# Allegro board RK_EVB1_RK3576_LP4XD200P132SD6_V12_20240530YWQ.brd
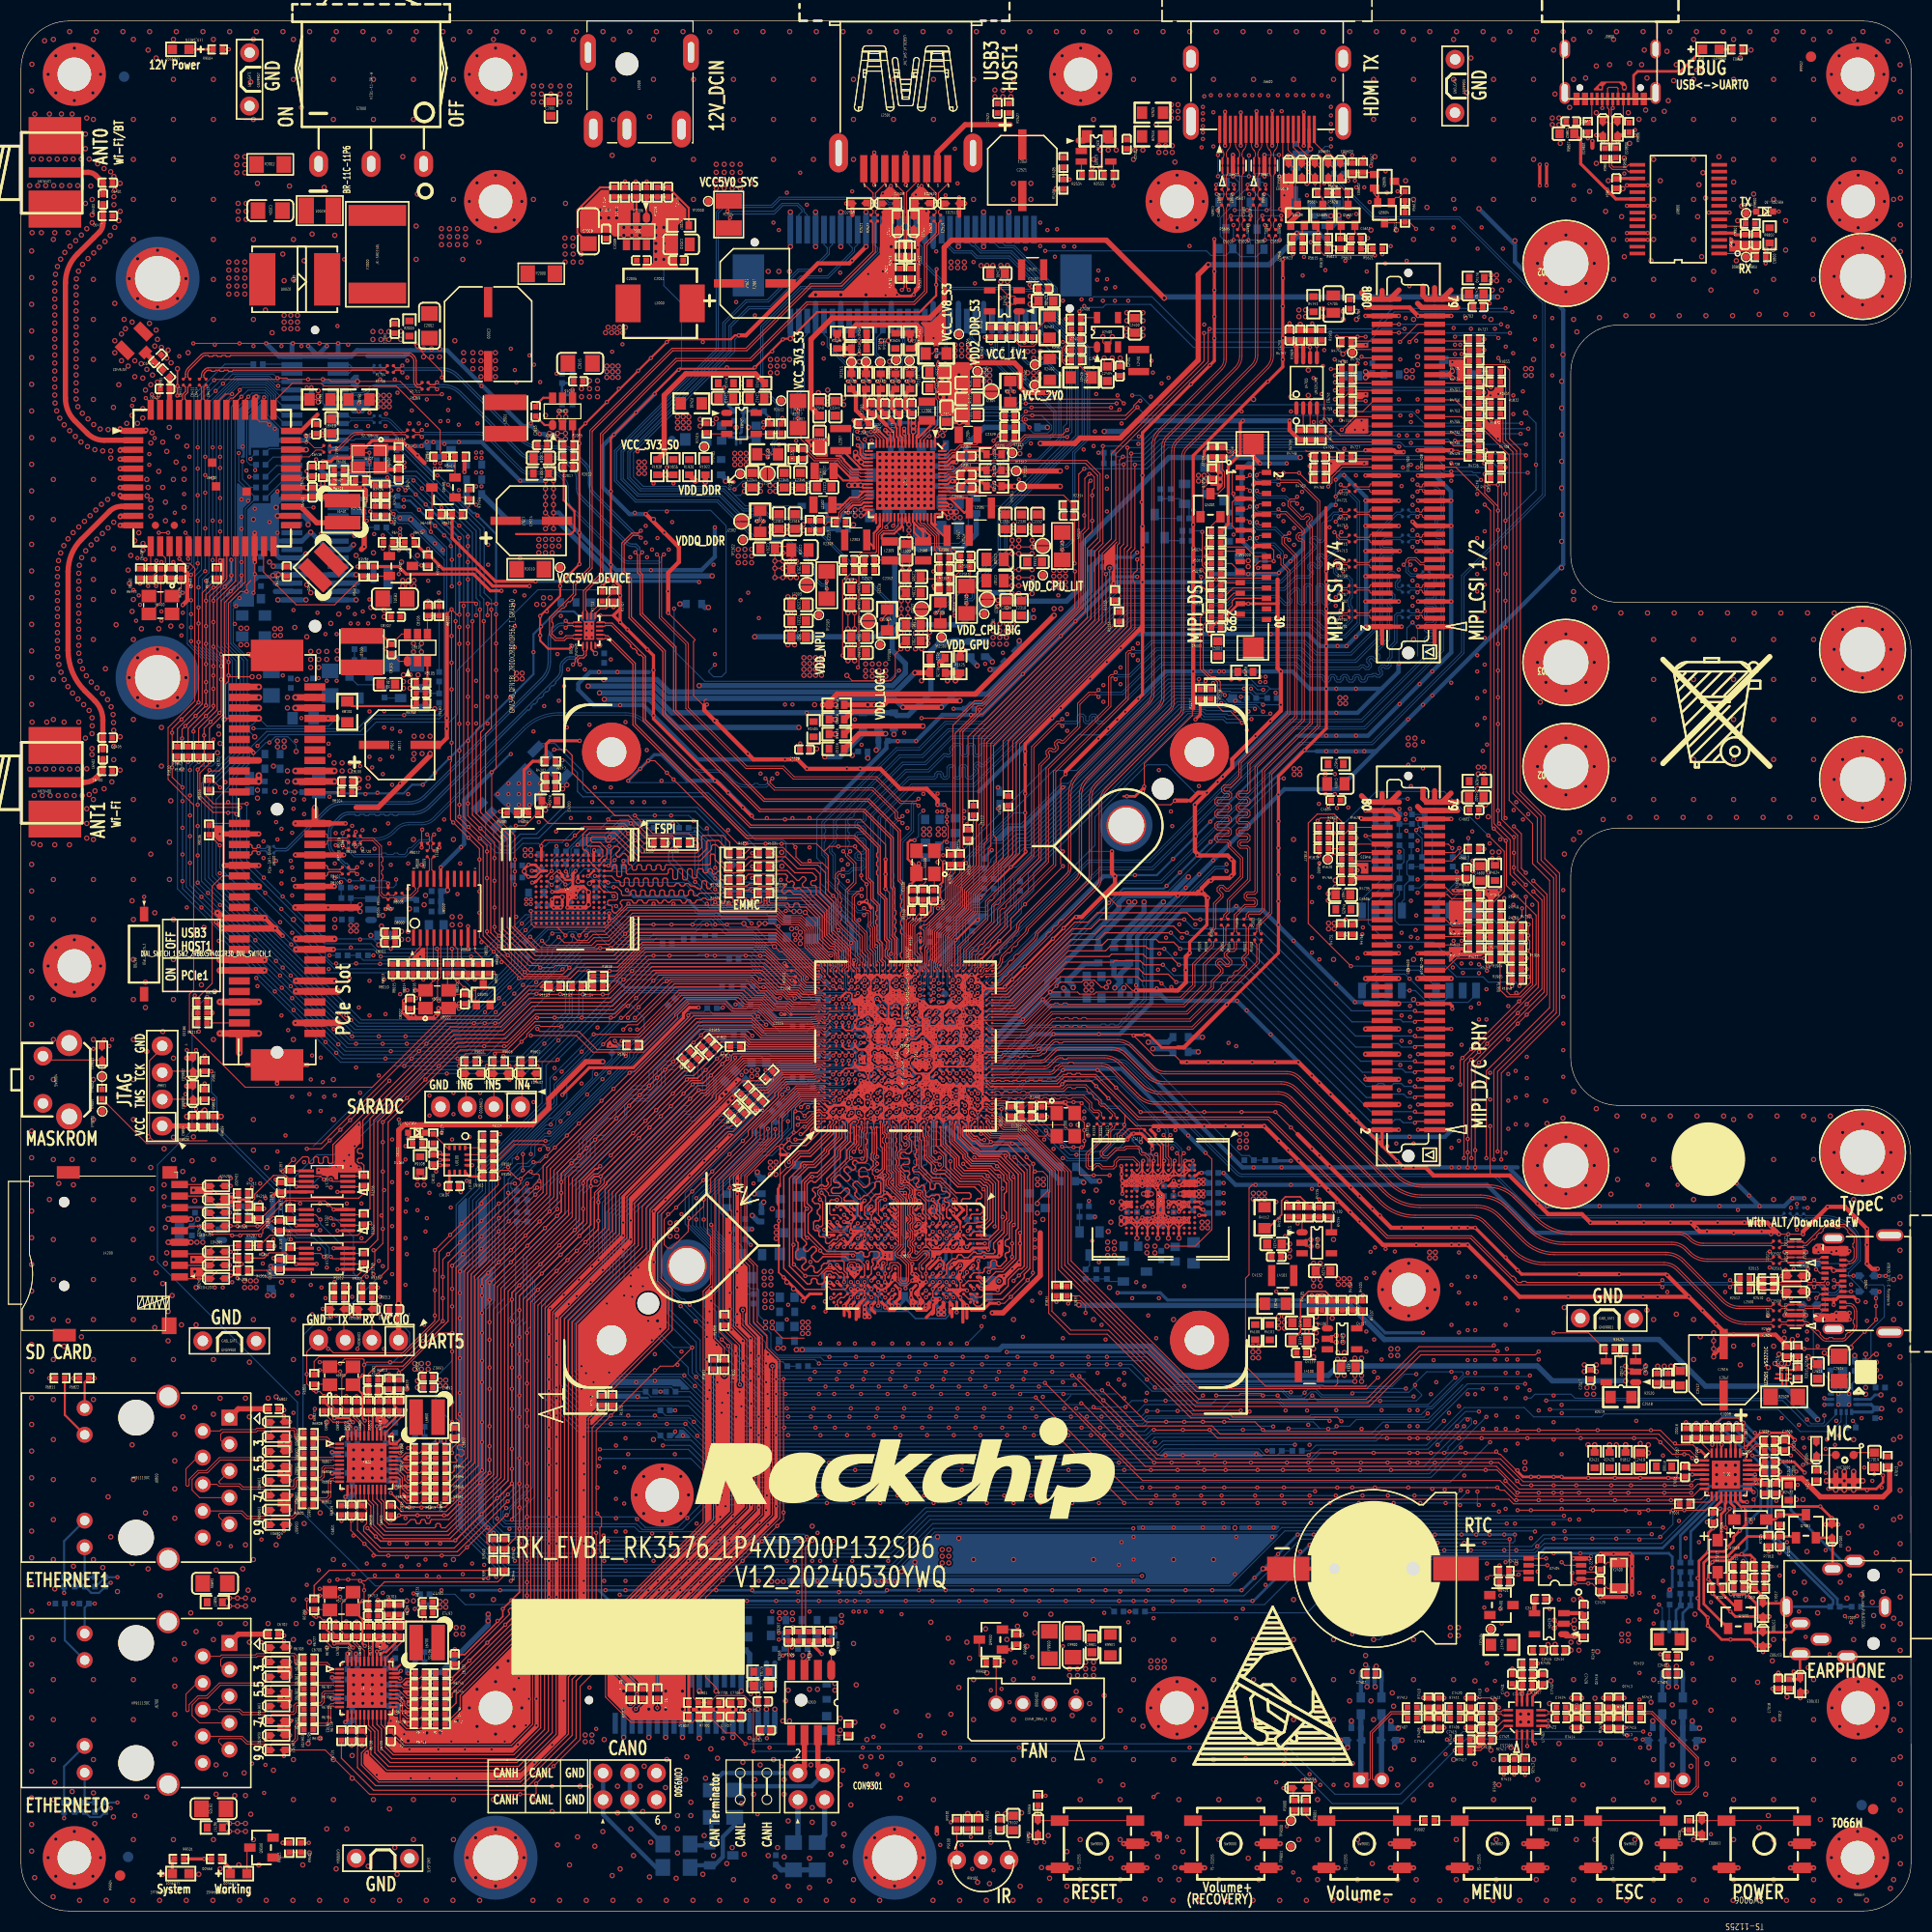
[diagram p0: board, top side]
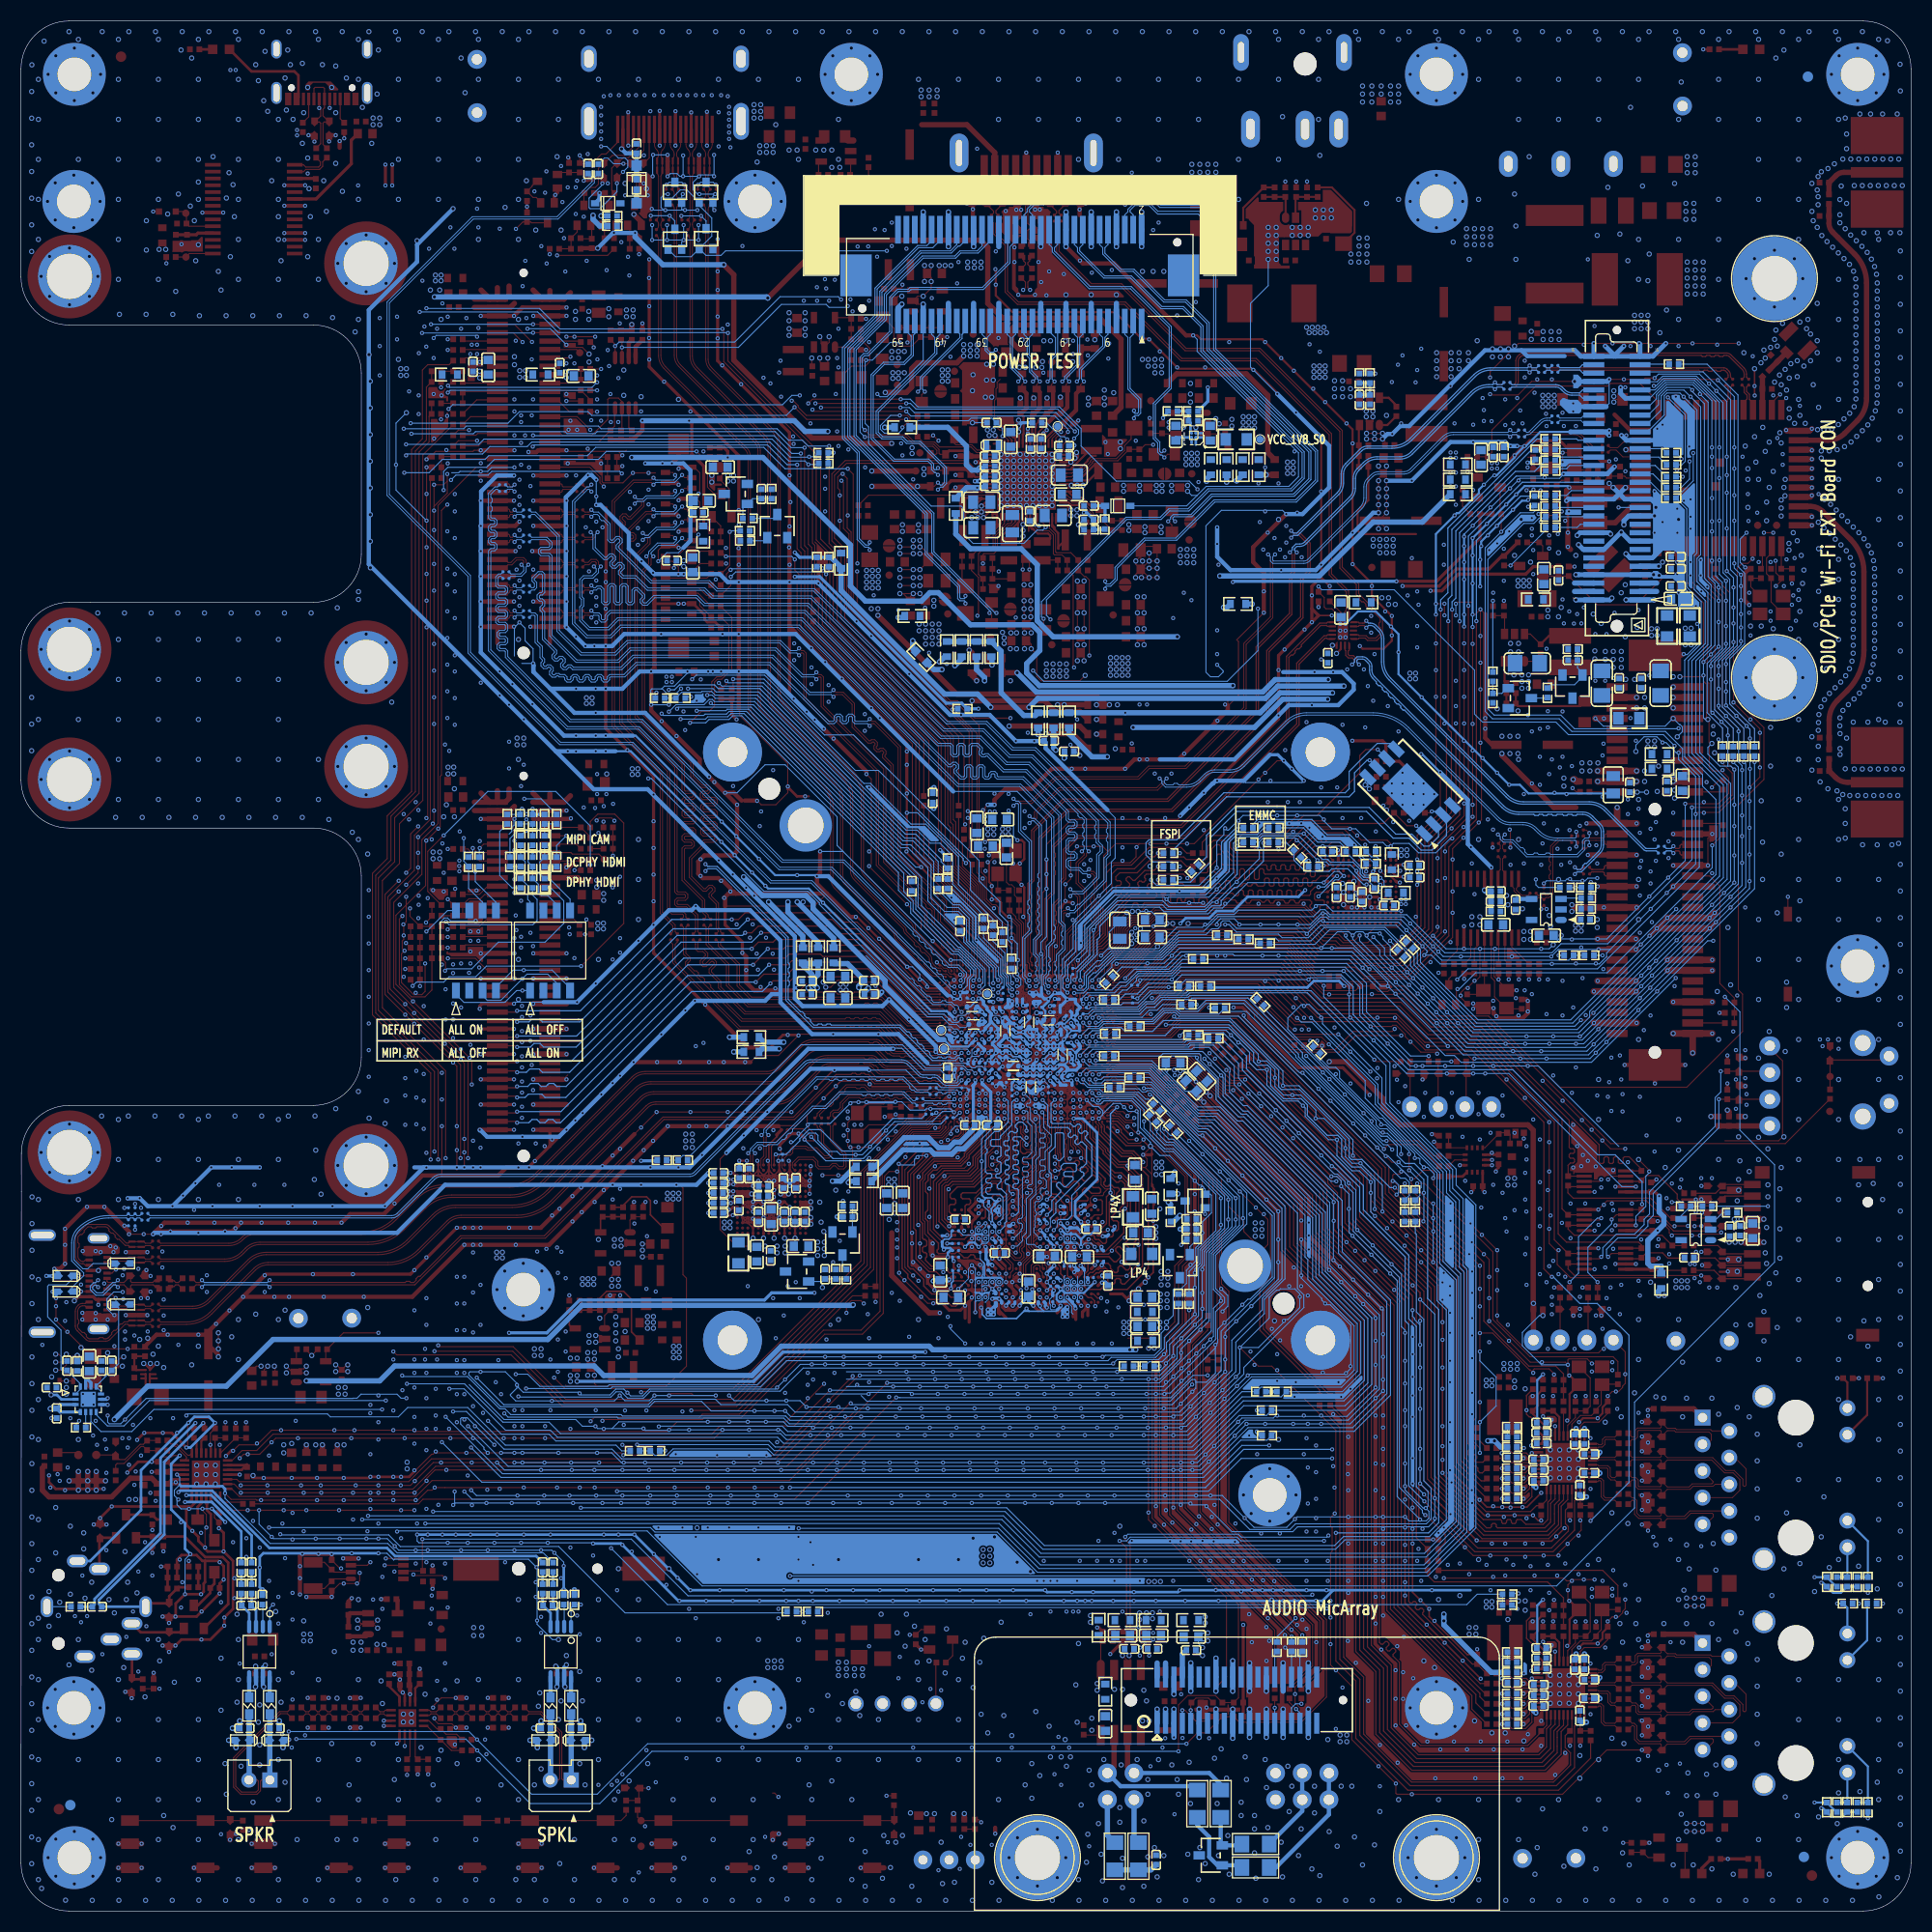
[diagram p1: board, bottom side, seen from below]

Outline 180 x 180 mm; copper layers: TOP, L2-GND, L3-POWER, L4-SIG, L5-GND, BOTTOM. Coordinates in mm from the lower left corner of the outline.
Outline path: 0,175.43 arc(1.34,178.66) 4.57,180 175.43,180 arc(178.66,178.66) 180,175.43 180,155.62 arc(178.66,152.39) 175.43,151.05 152.16,151.05 arc(148.93,149.71) 147.59,146.48 147.59,129.21 arc(148.93,125.97) 152.16,124.63 173.4,124.63 173.4,124.64 175.43,124.64 arc(178.66,123.3) 180,120.06 180,107.71 arc(178.66,104.48) 175.43,103.14 152.16,103.14 arc(148.93,101.8) 147.59,98.57 147.59,81.3 arc(148.93,78.06) 152.16,76.72 175.39,76.72 arc(178.63,75.38) 179.96,72.15 179.96,68.49 180,4.57 arc(178.66,1.34) 175.43,0 4.57,0 arc(1.34,1.34) 0,4.57 0,175.43

## Design rules (mm)
net group AINL: nets AINLN AINLP
net group AINR: nets AINRN AINRP
net group AUD_LOOPBACK2_: nets AUD_LOOPBACK2_N AUD_LOOPBACK2_P
net group AUD_SPK2: nets AUD_SPK2N AUD_SPK2P
net group CON0_TX0_CLKN: nets CON0_TX0_CLKN MIPI_DPHY_DSI_TX_CLKN
net group CON0_TX0_CLKP: nets CON0_TX0_CLKP MIPI_DPHY_DSI_TX_CLKP
net group CON0_TX0_D0N: nets CON0_TX0_D0N MIPI_DPHY_DSI_TX_D0N
net group CON0_TX0_D0P: nets CON0_TX0_D0P MIPI_DPHY_DSI_TX_D0P
net group CON0_TX0_D1N: nets CON0_TX0_D1N MIPI_DPHY_DSI_TX_D1N
net group CON0_TX0_D1P: nets CON0_TX0_D1P MIPI_DPHY_DSI_TX_D1P
net group CON0_TX0_D2N: nets CON0_TX0_D2N MIPI_DPHY_DSI_TX_D2N
net group CON0_TX0_D2P: nets CON0_TX0_D2P MIPI_DPHY_DSI_TX_D2P
net group CON0_TX0_D3N: nets CON0_TX0_D3N MIPI_DPHY_DSI_TX_D3N
net group CON0_TX0_D3P: nets CON0_TX0_D3P MIPI_DPHY_DSI_TX_D3P
net group DEBUG_USBDM: nets DEBUG_USBDM DEBUG_USBDM_C
net group DEBUG_USBDP: nets DEBUG_USBDP DEBUG_USBDP_C
net group DP_TX_AUXN: nets DP_TX_AUXN TYPEC_SBU2
net group DP_TX_AUXP: nets DP_TX_AUXP TYPEC_SBU1
net group EMMC_CMD: nets EMMC_CMD GPIO1_B0
net group EMMC_D4: nets EMMC_D4 GPIO1_A4
net group EMMC_D5: nets EMMC_D5 GPIO1_A5
net group EMMC_D6: nets EMMC_D6 GPIO1_A6
net group EMMC_D7: nets EMMC_D7 GPIO1_A7
net group GMAC0_RXCLK_M0: nets GMAC0_RXCLK_M0 PHY0_RXCLK/PHYAD1
net group GMAC0_RXCTL_M0: nets GMAC0_RXCTL_M0 PHY0_RXDV/PHYAD2
net group GMAC0_RXD0_M0: nets GMAC0_RXD0_M0 PHY0_RXD0/RXDLY
net group GMAC0_RXD1_M0: nets GMAC0_RXD1_M0 PHY0_RXD1/TXDLY
net group GMAC0_RXD2_M0: nets GMAC0_RXD2_M0 PHY0_RXD2/PLLOFF
net group GMAC0_RXD3_M0: nets GMAC0_RXD3_M0 PHY0_RXD3/PHYAD0
net group GMAC0_TXCLK_M0: nets GMAC0_TXCLK_M0 GPIO3_B6_D
net group GMAC0_TXCTL_M0: nets GMAC0_TXCTL_M0 GPIO3_B3_D
net group GMAC0_TXD0_M0: nets GMAC0_TXD0_M0 GPIO3_B5_D
net group GMAC0_TXD1_M0: nets GMAC0_TXD1_M0 GPIO3_B4_D
net group GMAC0_TXD2_M0: nets GMAC0_TXD2_M0 GPIO3_C3_D
net group GMAC0_TXD3_M0: nets GMAC0_TXD3_M0 GPIO3_C2_D
net group GMAC1_RXCLK_M0: nets GMAC1_RXCLK_M0 PHY1_RXCLK/PHYAD1
net group GMAC1_RXCTL_M0: nets GMAC1_RXCTL_M0 PHY1_RXDV/PHYAD2
net group GMAC1_RXD0_M0: nets GMAC1_RXD0_M0 PHY1_RXD0/RXDLY
net group GMAC1_RXD1_M0: nets GMAC1_RXD1_M0 PHY1_RXD1/TXDLY
net group GMAC1_RXD2_M0: nets GMAC1_RXD2_M0 PHY1_RXD2/PLLOFF
net group GMAC1_RXD3_M0: nets GMAC1_RXD3_M0 PHY1_RXD3/PHYAD0
net group GMAC1_TXCLK_M0: nets GMAC1_TXCLK_M0 GPIO2_C5_D
net group GMAC1_TXCTL_M0: nets GMAC1_TXCTL_M0 GPIO2_D0_D
net group GMAC1_TXD0_M0: nets GMAC1_TXD0_M0 GPIO2_C6_D
net group GMAC1_TXD1_M0: nets GMAC1_TXD1_M0 GPIO2_C7_D
net group GMAC1_TXD2_M0: nets GMAC1_TXD2_M0 GPIO2_C3_D
net group GMAC1_TXD3_M0: nets GMAC1_TXD3_M0 GPIO2_C4_D
net group GPIO1_C1_D: nets GPIO1_C1_D SDMMC1_CLK_M0
net group HDMI_TX0N: nets HDMI_TX0N HDMI_TX_D0N
net group HDMI_TX0P: nets HDMI_TX0P HDMI_TX_D0P
net group HDMI_TX1N: nets HDMI_TX1N HDMI_TX_D1N
net group HDMI_TX1P: nets HDMI_TX1P HDMI_TX_D1P
net group HDMI_TX2N: nets HDMI_TX2N HDMI_TX_D2N
net group HDMI_TX2P: nets HDMI_TX2P HDMI_TX_D2P
net group HDMI_TX3N: nets HDMI_TX3N HDMI_TX_D3N
net group HDMI_TX3P: nets HDMI_TX3P HDMI_TX_D3P
net group HDMITX_HPDIN/HDMITX_SBDN: nets HDMI_TX_SBDN HDMITX_HPDIN/HDMITX_SBDN
net group HDMITX_SBDP: nets HDMI_TX_SBDP HDMITX_SBDP
net group I2C4_SCL_M3_MIPI_CSI0: nets I2C4_SCL_M3_MIPI_CSI0 N27236901
net group I2C4_SDA_M3_MIPI_CSI0: nets I2C4_SDA_M3_MIPI_CSI0 N27236900
net group IRC_AIN: nets IRC_AIN N27236914
net group IRC_BIN: nets IRC_BIN N27236916
net group M_DPHY_RX: nets MIPI_DPHY_CSI0_RX_D1P/MIPI_CPHY_CSI_RX_TRIO1_A MIPI_DPHY_CSI0_RX_D3P/NO_USE
net group M_MIPI_CPHY_RX_TRIO_A: nets MIPI_DPHY_CSI0_RX_D0N/MIPI_CPHY_CSI_RX_TRIO0_A MIPI_DPHY_CSI0_RX_D0P/MIPI_CPHY_CSI_RX_TRIO0_B
net group MIC2: nets MIC2N MIC2P
net group MIC_1: nets LIN1_ES8388 RIN1_ES8388
net group MIC_2: nets LIN2_ES8388 RIN2_ES8388
net group MIPI_CSI1/2_D2N: nets MIPI_CSI1/2_D2N MIPI_DPHY_CSI1_RX_D2N/MIPI_DPHY_CSI2_RX_D0N
net group MIPI_CSI1/2_D2P: nets MIPI_CSI1/2_D2P MIPI_DPHY_CSI1_RX_D2P/MIPI_DPHY_CSI2_RX_D0P
net group MIPI_CSI1/2_D3N: nets MIPI_CSI1/2_D3N MIPI_DPHY_CSI1_RX_D3N/MIPI_DPHY_CSI2_RX_D1N
net group MIPI_CSI1/2_D3P: nets MIPI_CSI1/2_D3P MIPI_DPHY_CSI1_RX_D3P/MIPI_DPHY_CSI2_RX_D1P
net group MIPI_CSI1_CLKN: nets MIPI_CSI1_CLKN MIPI_DPHY_CSI1_RX_CLKN
net group MIPI_CSI1_CLKP: nets MIPI_CSI1_CLKP MIPI_DPHY_CSI1_RX_CLKP
net group MIPI_CSI1_D0N: nets MIPI_CSI1_D0N MIPI_DPHY_CSI1_RX_D0N
net group MIPI_CSI1_D0P: nets MIPI_CSI1_D0P MIPI_DPHY_CSI1_RX_D0P
net group MIPI_CSI1_D1N: nets MIPI_CSI1_D1N MIPI_DPHY_CSI1_RX_D1N
net group MIPI_CSI1_D1P: nets MIPI_CSI1_D1P MIPI_DPHY_CSI1_RX_D1P
net group MIPI_CSI2_CLKN: nets MIPI_CSI2_CLKN MIPI_DPHY_CSI2_RX_CLKN
net group MIPI_CSI2_CLKP: nets MIPI_CSI2_CLKP MIPI_DPHY_CSI2_RX_CLKP
net group MIPI_CSI3/4_D2N: nets MIPI_CSI3/4_D2N MIPI_DPHY_CSI3_RX_D2N/MIPI_DPHY_CSI4_RX_D0N
net group MIPI_CSI3/4_D2P: nets MIPI_CSI3/4_D2P MIPI_DPHY_CSI3_RX_D2P/MIPI_DPHY_CSI4_RX_D0P
net group MIPI_CSI3/4_D3N: nets MIPI_CSI3/4_D3N MIPI_DPHY_CSI3_RX_D3N/MIPI_DPHY_CSI4_RX_D1N
net group MIPI_CSI3/4_D3P: nets MIPI_CSI3/4_D3P MIPI_DPHY_CSI3_RX_D3P/MIPI_DPHY_CSI4_RX_D1P
net group MIPI_CSI3_CLKN: nets MIPI_CSI3_CLKN MIPI_DPHY_CSI3_RX_CLKN
net group MIPI_CSI3_CLKP: nets MIPI_CSI3_CLKP MIPI_DPHY_CSI3_RX_CLKP
net group MIPI_CSI3_D0N: nets MIPI_CSI3_D0N MIPI_DPHY_CSI3_RX_D0N
net group MIPI_CSI3_D0P: nets MIPI_CSI3_D0P MIPI_DPHY_CSI3_RX_D0P
net group MIPI_CSI3_D1N: nets MIPI_CSI3_D1N MIPI_DPHY_CSI3_RX_D1N
net group MIPI_CSI3_D1P: nets MIPI_CSI3_D1P MIPI_DPHY_CSI3_RX_D1P
net group MIPI_CSI4_CLKN: nets MIPI_CSI4_CLKN MIPI_DPHY_CSI4_RX_CLKN
net group MIPI_CSI4_CLKP: nets MIPI_CSI4_CLKP MIPI_DPHY_CSI4_RX_CLKP
net group MIPI_DPHY_CSI0_PDN_H: nets MIPI_DPHY_CSI0_PDN_H N27236903
net group MIPI_DPHY_CSI0_PWREN_H: nets MIPI_DPHY_CSI0_PWREN_H N27236909
net group MIPI_DPHY_HSYNC: nets MIPI_DPHY_HSYNC N27236955
net group N18403367: nets N18403367 N18403564
net group PCIE1_RXN: nets PCIE1_RXN PCIE_SLOT_RXDN
net group PCIE1_RXP: nets PCIE1_RXP PCIE_SLOT_RXDP
net group PCIE1_TXN: nets PCIE1_TXN PCIE_SLOT_TXDN
net group PCIE1_TXP: nets PCIE1_TXP PCIE_SLOT_TXDP
net group PCIE21_1_RX/USB3_HOST1_SSRX: nets PCIE1_RXN/USB3_HOST1_SSRXN PCIE1_RXP/USB3_HOST1_SSRXP
net group PCIE21_1_TX/USB3_HOST1_SSTX: nets PCIE1_TXN/USB3_HOST1_SSTXN PCIE1_TXP/USB3_HOST1_SSTXP
net group PHY0_MDI0+: nets PHY0_MDI0+ PHY0_MDI_0+
net group PHY0_MDI0-: nets PHY0_MDI0- PHY0_MDI_0-
net group PHY0_MDI1+: nets PHY0_MDI1+ PHY0_MDI_1+
net group PHY0_MDI1-: nets PHY0_MDI1- PHY0_MDI_1-
net group PHY0_MDI2+: nets PHY0_MDI2+ PHY0_MDI_2+
net group PHY0_MDI2-: nets PHY0_MDI2- PHY0_MDI_2-
net group PHY0_MDI3+: nets PHY0_MDI3+ PHY0_MDI_3+
net group PHY0_MDI3-: nets PHY0_MDI3- PHY0_MDI_3-
net group PHY1_MDI0: nets PHY1_MDI0+ PHY1_MDI0-
net group PHY1_MDI1: nets PHY1_MDI1+ PHY1_MDI1-
net group PHY1_MDI2: nets PHY1_MDI2+ PHY1_MDI2-
net group PHY1_MDI3: nets PHY1_MDI3+ PHY1_MDI3-
net group PHY1_MDI_0: nets PHY1_MDI_0+ PHY1_MDI_0-
net group PHY1_MDI_1: nets PHY1_MDI_1+ PHY1_MDI_1-
net group PHY1_MDI_2: nets PHY1_MDI_2+ PHY1_MDI_2-
net group PHY1_MDI_3: nets PHY1_MDI_3+ PHY1_MDI_3-
net group SAI4_LRCK_M2_DCPHY: nets N30718271 SAI4_LRCK_M2_DCPHY
net group SAI4_MCLK_M2_DCPHY: nets N30718340 SAI4_MCLK_M2_DCPHY
net group SAI4_SCLK_M2_DCPHY: nets N30718343 SAI4_SCLK_M2_DCPHY
net group SAI4_SDI_M2_DCPHY: nets N30718350 SAI4_SDI_M2_DCPHY
net group SDIO_CMD_CON: nets SDIO_CMD_CON SDMMC1_CMD_M0
net group SDIO_D0_CON: nets SDIO_D0_CON SDMMC1_D0_M0
net group SDIO_D1_CON: nets SDIO_D1_CON SDMMC1_D1_M0
net group SDIO_D2_CON: nets SDIO_D2_CON SDMMC1_D2_M0
net group SDIO_D3_CON: nets SDIO_D3_CON SDMMC1_D3_M0
net group TYPEC_RX1N: nets TYPEC_RX1N USB3_OTG0_SSRX1N/DP_TX_D0N
net group TYPEC_RX1P: nets TYPEC_RX1P USB3_OTG0_SSRX1P/DP_TX_D0P
net group TYPEC_RX2N: nets TYPEC_RX2N USB3_OTG0_SSRX2N/DP_TX_D2N
net group TYPEC_RX2P: nets TYPEC_RX2P USB3_OTG0_SSRX2P/DP_TX_D2P
net group TYPEC_TX1N: nets TYPEC_TX1N USB3_OTG0_SSTX1N/DP_TX_D1N
net group TYPEC_TX1P: nets TYPEC_TX1P USB3_OTG0_SSTX1P/DP_TX_D1P
net group TYPEC_TX2N: nets TYPEC_TX2N USB3_OTG0_SSTX2N/DP_TX_D3N
net group TYPEC_TX2P: nets TYPEC_TX2P USB3_OTG0_SSTX2P/DP_TX_D3P
net group UFS_RX0N: nets UFS_RX0N UFS_RX_D0N
net group UFS_RX0P: nets UFS_RX0P UFS_RX_D0P
net group UFS_RX1N: nets UFS_RX1N UFS_RX_D1N
net group UFS_RX1P: nets UFS_RX1P UFS_RX_D1P
net group UFS_TX0N: nets UFS_TX0N UFS_TX_D0N
net group UFS_TX0P: nets UFS_TX0P UFS_TX_D0P
net group UFS_TX1N: nets UFS_TX1N UFS_TX_D1N
net group UFS_TX1P: nets UFS_TX1P UFS_TX_D1P
net group USB2_HOST1_DM: nets N22367536 USB2_HOST1_DM
net group USB2_HOST1_DP: nets N22367533 USB2_HOST1_DP
net group USB20_HOST_D: nets USB20_HOST_DM USB20_HOST_DP
net group USB30_HOST_SSRXN: nets USB3_HOST1_SSRXN USB30_HOST_SSRXN
net group USB30_HOST_SSRXP: nets USB3_HOST1_SSRXP USB30_HOST_SSRXP
net group USB30_HOST_SSTXN: nets USB3_HOST1_SSTXN USB30_HOST_SSTXN
net group USB30_HOST_SSTXP: nets USB3_HOST1_SSTXP USB30_HOST_SSTXP
net group 50OHM: nets GMAC0_INT/PMEB GMAC0_MCLKINOUT_M0 GMAC0_MDC_M0 GMAC0_MDIO_M0 GMAC0_RSTN GMAC1_INT/PMEB GMAC1_MCLKINOUT_M0 GMAC1_MDC_M0 GMAC1_MDIO_M0 GMAC1_RSTN PHY0_RSTN PHY1_RSTN SD_DET SDMMC0_DET_L UFS_REFCLK UFS_RSTN UFS_SOC_REFCLK UFS_SOC_RSTN
net group AP627XP_PCIE_RXN: nets AP627XP_PCIE_RXN CON_PCIE0_TXN PCIE0_SOC_TXN PCIE_CON_TXN WIFI_PCIE0_TXN
net group AP627XP_PCIE_RXP: nets AP627XP_PCIE_RXP CON_PCIE0_TXP PCIE0_SOC_TXP PCIE_CON_TXP WIFI_PCIE0_TXP
net group AP627XP_PCIE_TXN: nets AP627XP_PCIE_TXN CON_PCIE0_RXN PCIE0_SOC_RXN WIFI_PCIE0_RXN
net group AP627XP_PCIE_TXP: nets AP627XP_PCIE_TXP CON_PCIE0_RXP PCIE0_SOC_RXP WIFI_PCIE0_RXP
net group AP627XP_REFCLKN: nets AP627XP_REFCLKN CON_PCIE0_REFCLKN PCIE0_SOC_REFCLKN PCIE_CON_REFCLKN WIFI_PCIE0_REFCLKN
net group AP627XP_REFCLKP: nets AP627XP_REFCLKP CON_PCIE0_REFCLKP PCIE0_SOC_REFCLKP PCIE_CON_REFCLKP WIFI_PCIE0_REFCLKP
net group AUD_LOOPBACK1_N: nets AUD_LOOPBACK1_N AUD_SPK1N N31480252
net group AUD_LOOPBACK1_P: nets AUD_LOOPBACK1_P AUD_SPK1P N31479995
net group CLK0N: nets CLK0N CLK1N PCIE1_REFCLKN PCIE_CLKIC_0_REFCLKN PCIE_CLKIC_1_REFCLKN PCIE_SLOT_REFCLKN
net group CLK0P: nets CLK0P CLK1P PCIE1_REFCLKP PCIE_CLKIC_0_REFCLKP PCIE_CLKIC_1_REFCLKP PCIE_SLOT_REFCLKP
net group DDR_CA: nets LPDDR4_CSN0_A LPDDR4_CSN0_B LPDDR4_CSN1_A LPDDR4_CSN1_B LPDDR4_RESET
net group EMMC_CLKOUT: nets EMMC_CLKOUT FSPI0_CLK/EMMC_CLK FSPI_CLKOUT N19625800
net group EMMC_D0: nets EMMC_D0 FSPI0_D0/EMMC_D0 FSPI_D0
net group EMMC_D1: nets EMMC_D1 FSPI0_D1/EMMC_D1 FSPI_D1
net group EMMC_D2: nets EMMC_D2 FSPI0_D2/EMMC_D2 FSPI_D2
net group EMMC_D3: nets EMMC_D3 FSPI0_D3/EMMC_D3 FSPI_D3
net group EMMC_DATA_STROBE: nets EMMC_DATA_STROBE GPIO1_B2 N21903225
net group EMMC_RSTN: nets EMMC_RSTN FSPI0_CSN0/EMMC_RSTN FSPI_CSN0
net group M_DDR_A_CA: nets LPDDR4_A0_A LPDDR4_A1_A LPDDR4_A2_A LPDDR4_A3_A LPDDR4_A4_A LPDDR4_A5_A LPDDR4_CKE0_A LPDDR4_CKE1_A
net group M_DDR_A_CLK_DQS: nets LPDDR4_CLKN_A LPDDR4_CLKP_A LPDDR4_DQS0N_A LPDDR4_DQS0P_A LPDDR4_DQS1N_A LPDDR4_DQS1P_A
net group M_DDR_A_DATA0: nets LPDDR4_DMI0_A LPDDR4_DQ0_A LPDDR4_DQ1_A LPDDR4_DQ2_A LPDDR4_DQ3_A LPDDR4_DQ4_A LPDDR4_DQ5_A LPDDR4_DQ6_A LPDDR4_DQ7_A
net group M_DDR_A_DATA1: nets LPDDR4_DMI1_A LPDDR4_DQ8_A LPDDR4_DQ9_A LPDDR4_DQ10_A LPDDR4_DQ11_A LPDDR4_DQ12_A LPDDR4_DQ13_A LPDDR4_DQ14_A LPDDR4_DQ15_A
net group M_DDR_B_CA: nets LPDDR4_A0_B LPDDR4_A1_B LPDDR4_A2_B LPDDR4_A3_B LPDDR4_A4_B LPDDR4_A5_B LPDDR4_CKE0_B LPDDR4_CKE1_B
net group M_DDR_B_CLK_DQS: nets LPDDR4_CLKN_B LPDDR4_CLKP_B LPDDR4_DQS0N_B LPDDR4_DQS0P_B LPDDR4_DQS1N_B LPDDR4_DQS1P_B
net group M_DDR_B_DATA0: nets LPDDR4_DMI0_B LPDDR4_DQ0_B LPDDR4_DQ1_B LPDDR4_DQ2_B LPDDR4_DQ3_B LPDDR4_DQ4_B LPDDR4_DQ5_B LPDDR4_DQ6_B LPDDR4_DQ7_B
net group M_DDR_B_DATA1: nets LPDDR4_DMI1_B LPDDR4_DQ8_B LPDDR4_DQ9_B LPDDR4_DQ10_B LPDDR4_DQ11_B LPDDR4_DQ12_B LPDDR4_DQ13_B LPDDR4_DQ14_B LPDDR4_DQ15_B
net group M_MIPI_CPHY_RX_TRIO_1: nets MIPI_DPHY_CSI0_RX_CLKN/MIPI_CPHY_CSI_RX_TRIO1_B MIPI_DPHY_CSI0_RX_CLKP/MIPI_CPHY_CSI_RX_TRIO1_C MIPI_DPHY_CSI0_RX_D1N/MIPI_CPHY_CSI_RX_TRIO0_C
net group M_MIPI_CPHY_RX_TRIO_2: nets MIPI_DPHY_CSI0_RX_D2N/MIPI_CPHY_CSI_RX_TRIO2_A MIPI_DPHY_CSI0_RX_D2P/MIPI_CPHY_CSI_RX_TRIO2_B MIPI_DPHY_CSI0_RX_D3N/MIPI_CPHY_CSI_RX_TRIO2_C
net group MIPI_DPHY_CSI0_PWM: nets MIPI_DPHY_CSI0_PWM MIPI_DPHY_FSYNC N27236910
net group SDMMC0_CLK: nets N19625788 SDMMC0_CLK SDMMC0_CLK/UART5_TX_M2/I2C5_SCL_M0
net group SDMMC0_CMD: nets SD_CMD SDMMC0_CMD SDMMC0_CMD/UART5_RX_M2/I2C5_SDA_M0
net group SDMMC0_D0: nets SD_D0 SDMMC0_D0 SDMMC0_D0/CAN0_RX_M0
net group SDMMC0_D1: nets SD_D1 SDMMC0_D1 SDMMC0_D1/CAN0_TX_M0
net group SDMMC0_D2: nets SD_D2 SDMMC0_D2 SDMMC0_D2/JTAG_TCK_M0
net group SDMMC0_D3: nets SD_D3 SDMMC0_D3 SDMMC0_D3/JTAG_TMS_M0
net group TYPEC_DM: nets N22367504 TYPEC_DM USB2_OTG0_DM
net group TYPEC_DP: nets N22367501 TYPEC_DP USB2_OTG0_DP
net group VCCIO0_1V8: nets VCCIO0_1V8
net group VCCIO1: nets VCCIO1

## Placement (name value [footprint] x y rotation side)
ANT6400  SMA-J-P-H-RA-TH1  [ANT5_SMA_ST_EM1]  3.23 107.5 0 top
ANT6401  SMA-J-P-H-RA-TH1  [ANT5_SMA_ST_EM1]  3.23 165.59 0 top
ANT6402  -  [ANT_JACK]  12.25 149.87 135 top
C1000  100nF  [C0201]  87.2 82.54 0 bottom
C1001  100nF  [C0201]  84.88 82.98 90 bottom
C1002  1uF  [C0201]  84.89 81.67 270 bottom
C1003  1uF  [C0201]  84.24 81.11 270 bottom
C1004  1uF  [C0201]  84.24 82.3 90 bottom
C1005  1uF  [C0201]  85.48 82.98 90 bottom
C1006  10uF  [C0402_BGA]  86.25 83.8 90 bottom
C1007  22uF  [C0603]  88.97 103.37 90 bottom
C1008  NC/22uF  [C0603]  88.15 101.42 0 bottom
C1009  100nF  [C0201]  86.87 80.45 90 bottom
C1010  1uF  [C0201]  86.84 81.67 90 bottom
C1011  1uF  [C0201]  86.19 81.67 90 bottom
C1012  10uF  [C0402_BGA]  85.48 80.47 180 bottom
C1013  22uF  [C0603]  102.2 86.96 0 bottom
C1014  NC/22uF  [C0603]  102.2 89.02 0 bottom
C1015  100nF  [C0201]  83.59 82.97 270 bottom
C1016  100nF  [C0201]  82.66 82.7 180 bottom
C1017  1uF  [C0201]  82.67 83.34 180 bottom
C1018  1uF  [C0201]  83.25 84.27 90 bottom
C1020  10uF  [C0402_BGA]  83.99 84.64 90 bottom
C1021  22uF  [C0603]  86.15 101.04 270 bottom
C1022  22uF  [C0603]  86.8 103.96 0 bottom
C1023  1uF  [C0201]  85.55 84.25 90 bottom
C1024  100nF  [C0201]  82.65 82.04 180 bottom
C1026  100nF  [C0201]  81.64 81.76 90 bottom
C1027  1uF  [C0201]  81.64 80.47 270 bottom
C1028  1uF  [C0201]  82.29 80.47 270 bottom
C1029  10uF  [C0402_BGA]  80.8 81.58 90 bottom
C1030  22uF  [C0603]  68.55 78.56 225 bottom
C1031  22uF  [C0603]  70.27 80.77 0 bottom
C1032  100nF  [C0201]  80.99 84.26 90 bottom
C1033  100nF  [C0201]  82.03 83.99 0 bottom
C1034  1uF  [C0201]  80.65 83.4 180 bottom
C1035  1uF  [C0201]  81.64 82.97 270 bottom
C1036  10uF  [C0402_BGA]  82.14 84.83 0 bottom
C1037  22uF  [C0603]  72.26 92.75 180 bottom
C1038  22uF  [C0603]  72.26 94.4 180 bottom
C1039  22uF  [C0603]  67.54 79.51 225 bottom
C1040  47uF  [C0805]  75.35 93.42 90 bottom
C1100  18pF  [C0402]  86.92 96.76 270 top
C1101  18pF  [C0402]  84.95 96.76 90 top
C1102  100nF  [C0201]  85.87 85.11 0 bottom
C1103  100nF  [C0201]  86.53 86.05 180 bottom
C1104  100nF  [C0201]  84.18 86.01 90 bottom
C1105  100nF  [C0201]  84.89 86.85 180 bottom
C1106  100nF  [C0201]  86.27 86.82 180 bottom
C1107  100nF  [C0201]  86.8 79.08 270 bottom
C1108  1nF  [C0201]  73.75 88.72 270 top
C1109  1nF  [C0201]  73.17 89.74 135 top
C1110  1nF  [C0201]  74.14 86.76 90 bottom
C1111  1nF  [C0201]  78.84 86.04 0 bottom
C1112  1nF  [C0201]  79.14 85.44 0 bottom
C1113  1nF  [C0201]  79.3 86.83 0 bottom
C1114  1nF  [C0201]  73.94 88.17 180 bottom
C1115  1nF  [C0201]  73.06 85.39 180 top
C1116  100nF  [C0201]  80.01 84.21 0 bottom
C1117  100nF  [C0201]  85.62 85.96 90 bottom
C1118  100nF  [C0201]  86.95 84.34 270 bottom
C1119  100nF  [C0201]  85.66 91.99 90 top
C1120  1nF  [C0201]  86.48 87.68 270 bottom
C1200  100nF  [C0201]  84.89 78.56 270 bottom
C1201  1uF  [C0201]  82.98 78.52 270 bottom
C1202  1uF  [C0201]  85.88 78.91 0 bottom
C1203  10uF  [C0402_BGA]  83.83 78.46 270 bottom
C1204  22uF  [C0603]  73.91 70.35 90 bottom
C1205  22uF  [C0603]  72.3 67.1 270 bottom
C1206  100nF  [C0201]  84.24 79.83 90 bottom
C1207  1uF  [C0201]  82.94 79.82 90 bottom
C1208  1uF  [C0201]  83.59 79.82 90 bottom
C1209  10uF  [C0402_BGA]  85.48 79.66 0 bottom
C1210  22uF  [C0603]  97.55 67.65 270 bottom
C1211  22uF  [C0603]  96.03 67.65 270 bottom
C1212  1uF  [C0201]  81.28 78.66 180 bottom
C1213  1uF  [C0201]  81.95 79.43 180 bottom
C1214  1uF  [C0201]  80.61 80.18 180 bottom
C1300  100nF  [C0201]  87.52 80.45 90 bottom
C1301  18pF  [C0402]  97.23 76.14 270 top
C1302  1uF  [C0201]  88.41 78.44 270 bottom
C1303  1uF  [C0402]  87.51 74.84 180 bottom
C1304  18pF  [C0402]  95.73 75.65 0 top
C1305  1uF  [C0201]  89.54 78.41 315 bottom
C1306  1uF  [C0402]  89.6 74.84 0 bottom
C1307  100nF  [C0201]  87.48 79.08 270 bottom
C1308  1uF  [C0201]  81.14 87.12 90 bottom
C1309  100nF  [C0201]  79.38 83.64 135 bottom
C1312  100nF  [C0402]  24.64 61.57 90 top
C1313  100nF  [C0402]  24.77 68.94 90 top
C1314  100nF  [C0402]  24.64 65.25 90 top
C1400  1uF  [C0201]  87.55 81.67 270 bottom
C1401  NC/1uF  [C0402]  99.23 88.62 180 bottom
C1402  1uF  [C0201]  88.45 80.75 180 bottom
C1403  NC/1uF  [C0402]  105.16 87.29 0 bottom